# Altium PCB allaki_mezzanine.PcbDoc (part 2 of 3)
Units mm, origin at the board's own origin, x right, y up, seen from the top; angles counter-clockwise.
Board outline 100.05 x 34.55 mm, 6 copper layers (Top Layer, MidLayer1, MidLayer2, MidLayer3, MidLayer4, Bottom Layer), stack 1.096 mm thick; 322 components, 189 nets, 933 pads, 442 vias.
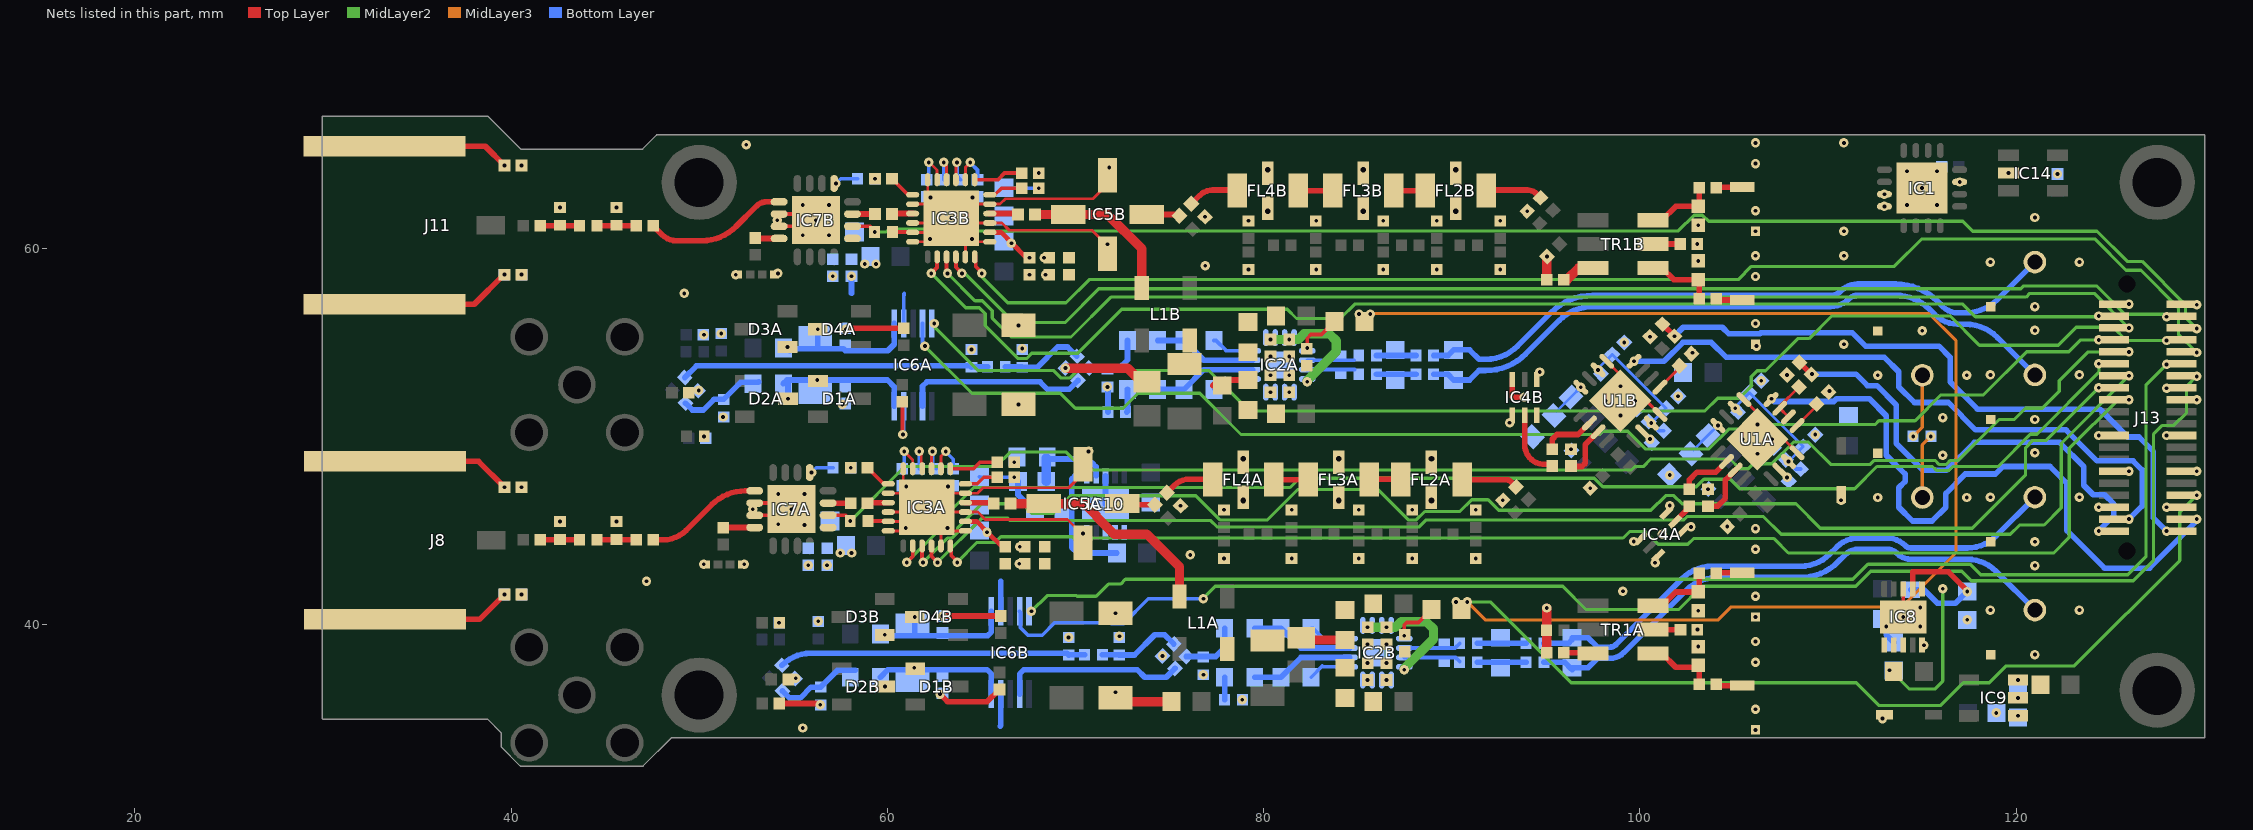
[diagram p6: the nets of this part, all layers, seen from the top]

## Part data
C1A C1B C5A C5B C6A C6B C43 C54 C57A C57B C58A C58B C59A C59B C60A C60B: library part CC0402_100NF_16V_10%_X5R, "Non-polarised capacitor", Case=0402, Manufacturer=GENERIC, Manufacturer1 ComponentHeight=0.55mm, Manufacturer1 Example=MURATA, Manufacturer1 Part Number=GRM155R61C104KA88D, Tolerance=±10%, Voltage=16V, Author="CERN DEM JLC", Component Type=Standard, HelpURL=\\cern.ch\dfs\Applications\Altium\Datasheets\CC0402_X5R_MURATA_GRM.pdf, Manufacturer Part Number=CC0402_100NF_16V_10%_X5R, Part Description="SMD Multilayer Chip Ceramic Capacitor", Part Number=CC0402_100NF_16V_10%_X5R, Pin Count=2, Sense=No, SMD=Yes, Socket=No, Status=None, TC=X5R
  C1A C1B C5A C5B C6A C6B C43 C54: CreateDate=10.12.2013, LatestRevisionDate=10.12.2013, Mounted=Yes
  C57A C57B C59A C59B C60A C60B: CreateDate=2013-12-10, LatestRevisionDate=2013-12-10, Mounted=Yes
  C58A C58B: CreateDate=2013-12-10, LatestRevisionDate=2013-12-10, Mounted=DNP
C2A C2B C7A C7B C11 C70: library part CC0603_10UF_6.3V_20%_X5R, "Non-polarised capacitor", Case=0603, Manufacturer=GENERIC, Manufacturer1 ComponentHeight=0.95mm, Manufacturer1 Example=KEMET, Manufacturer1 Part Number=C0603C106M9PAC, Manufacturer Part Number=CC0603_10uF_6.3V_20%_X5R, Tolerance=±20%, Voltage=6.3V, Author="CERN DEM JLC", Component Type=Standard, HelpURL=\\cern.ch\dfs\Applications\Altium\Datasheets\CC0603_X5R_KEMET.pdf, Mounted=Yes, Part Description="SMD Multilayer Chip Ceramic Capacitor", Part Number=CC0603_10UF_6.3V_20%_X5R, Pin Count=2, Sense=No, SMD=Yes, Socket=No, Status=Preferred, TC=X5R
  C2A C2B C7A C7B: CreateDate=03.12.2007, LatestRevisionDate=03.12.2007
  C11 C70: CreateDate=2007-12-03, LatestRevisionDate=2007-12-03
C3A C3B C8A C8B C23A C23B: library part CC0402_1NF_50V_10%_X7R, "Non-polarised capacitor", Case=0402, Manufacturer=GENERIC, Manufacturer1 ComponentHeight=0.55mm, Manufacturer1 Example=PHYCOMP, Manufacturer1 Part Number=223858715623, Tolerance=±10%, Voltage=50V, Author="CERN DEM JLC", Component Type=Standard, HelpURL=\\cern.ch\dfs\Applications\Altium\Datasheets\CC0402_X7R_PHYCOMP.pdf, Manufacturer Part Number=CC0402_1NF_50V_10%_X7R, Mounted=Yes, Part Description="SMD Multilayer Chip Ceramic Capacitor", Part Number=CC0402_1NF_50V_10%_X7R, Pin Count=2, Sense=No, SMD=Yes, Socket=No, Status="Not Recommended", TC=X7R
  C3A C3B C8A C8B: CreateDate=03.12.2007, LatestRevisionDate=03.12.2007
  C23A C23B: CreateDate=2007-12-03, LatestRevisionDate=2007-12-03
C4A C4B C63A C63B: library part CC0603_10PF_50V_5%_NP0, "Non-polarised capacitor", Case=0603, Manufacturer=GENERIC, Manufacturer1 ComponentHeight=0.87mm, Manufacturer1 Example=PHYCOMP, Manufacturer1 Part Number=223886715109, Tolerance=±5%, Voltage=50V, Author="CERN DEM JLC", Component Type=Standard, CreateDate=03.12.2007, HelpURL=\\cern.ch\dfs\Applications\Altium\Datasheets\CC0603_NP0_PHYCOMP.pdf, LatestRevisionDate=03.12.2007, Manufacturer Part Number=CC0603_10PF_50V_5%_NP0, Part Description="SMD Multilayer Chip Ceramic Capacitor", Part Number=CC0603_10PF_50V_5%_NP0, Pin Count=2, Sense=No, SMD=Yes, Socket=No, Status=Preferred, TC=C0G/NP0
  C4A C4B: Mounted=DNP
  C63A C63B: Mounted=Yes
C9A C9B C33A C33B: library part CC0402_18PF_50V_5%_C0G, "Non-polarised capacitor", Case=0402, Manufacturer=GENERIC, Manufacturer1 ComponentHeight=0.55mm, Manufacturer1 Example=KEMET, Manufacturer1 Part Number=C0402C180J5GACTU, Tolerance=±5%, Voltage=50V, Author="CERN DEM JLC", Component Type=Standard, CreateDate=2016-10-04, HelpURL="\\cern.ch\dfs\Applications\Altium\Datasheets\CC0805_C0G_KEMET_(Commercial Grade).pdf", LatestRevisionDate=2016-10-04, Manufacturer Part Number=CC0402_18PF_50V_5%_C0G, Mounted=Yes, Part Description="SMD Multilayer Chip Ceramic Capacitor", Part Number=CC0402_18PF_50V_5%_C0G, Pin Count=2, Sense=No, SMD=Yes, Socket=No, Status=Preferred, TC=C0G/NP0
C10 C32: library part CC0402_10PF_50V_5%_C0G, "Non-polarised capacitor", Case=0402, Manufacturer=GENERIC, Manufacturer1 ComponentHeight=0.55mm, Manufacturer1 Example=KEMET, Manufacturer1 Part Number=C0402C100J5GACTU, Tolerance=±5%, Voltage=50V, Author="CERN DEM JLC", Component Type=Standard, CreateDate=2007-12-03, HelpURL="\\cern.ch\dfs\Applications\Altium\Datasheets\CC0805_C0G_KEMET_(Commercial Grade).pdf", LatestRevisionDate=2015-04-22, Manufacturer Part Number=CC0402_10PF_50V_5%_C0G, Mounted=Yes, Part Description="SMD Multilayer Chip Ceramic Capacitor", Part Number=CC0402_10PF_50V_5%_C0G, Pin Count=2, Sense=No, SMD=Yes, Socket=No, Status=Preferred, TC=C0G/NP0
C12A C12B: library part CC0805_1UF_35V_20%_X7R, "Non-polarised capacitor", Case=0805, Manufacturer=GENERIC, Manufacturer1 ComponentHeight=1.35mm, Manufacturer1 Example="TAIYO YUDEN", Manufacturer1 Part Number=GMK212B7105MG-T, Tolerance=±20%, Voltage=35V, Author="CERN DEM JLC", Component Type=Standard, CreateDate=2011-06-22, HelpURL=\\cern.ch\dfs\Applications\Altium\Datasheets\CC0805_X7R_TAIYO-YUDEN_HIGH-VALUE.pdf, LatestRevisionDate=2011-06-22, Manufacturer Part Number=CC0805_1UF_35V_20%_X7R, Mounted=Yes, Part Description="SMD Multilayer Chip Ceramic Capacitor", Part Number=CC0805_1UF_35V_20%_X7R, Pin Count=2, Sense=No, SMD=Yes, Socket=No, Status="Not Recommended", TC=X7R
C13A C13B: library part CC0603_100NF_50V_10%_X7R, "Non-polarised capacitor", Case=0603, Manufacturer=GENERIC, Manufacturer1 ComponentHeight=0.87mm, Manufacturer1 Example=PHYCOMP, Manufacturer1 Part Number=223858615649, Tolerance=±10%, Voltage=50V, Author="CERN DEM JLC", Component Type=Standard, CreateDate=2007-12-03, HelpURL=\\cern.ch\dfs\Applications\Altium\Datasheets\CC0603_X7R_PHYCOMP.pdf, LatestRevisionDate=2007-12-03, Manufacturer Part Number=CC0603_100NF_50V_10%_X7R, Mounted=Yes, Part Description="SMD Multilayer Chip Ceramic Capacitor", Part Number=CC0603_100NF_50V_10%_X7R, Pin Count=2, Sense=No, SMD=Yes, Socket=No, Status=Preferred, TC=X7R
C14A C14B C15A C15B C16A C16B C17A C17B C18A C18B C19A C19B C20A C20B C28A C28B C29A C29B C36A C36B C37A C37B C46A C46B C47A C47B C49A C49B C50A C50B C51 C52 C55A C55B C56A C56B C64 C65 C66 C67 C68 C69: library part CC0402_10NF_16V_10%_X7R, "Non-polarised capacitor", Case=0402, Manufacturer=GENERIC, Manufacturer1 ComponentHeight=0.55mm, Manufacturer1 Example=PHYCOMP, Manufacturer1 Part Number=223878715636, Tolerance=±10%, Voltage=16V, Author="CERN DEM JLC", Component Type=Standard, CreateDate=2007-12-03, HelpURL=\\cern.ch\dfs\Applications\Altium\Datasheets\CC0402_X7R_PHYCOMP.pdf, LatestRevisionDate=2007-12-03, Manufacturer Part Number=CC0402_10NF_16V_10%_X7R, Mounted=Yes, Part Description="SMD Multilayer Chip Ceramic Capacitor", Part Number=CC0402_10NF_16V_10%_X7R, Pin Count=2, Sense=No, SMD=Yes, Socket=No, Status="Not Recommended", TC=X7R
C21A C21B C39A C39B: library part CC0603_10UF_16V_20%_X5R, "Non-polarised capacitor", Case=0603, Manufacturer=GENERIC, Manufacturer1 ComponentHeight=0.8mm, Manufacturer1 Example=MURATA, Manufacturer1 Part Number=GRM188R61C106MA73D, Tolerance=±20%, Voltage=16V, Author="CERN DEM MR", Component Type=Standard, CreateDate=2016-03-02, HelpURL=\\cern.ch\dfs\Applications\Altium\Datasheets\CC0603_X5R_MURATA_GRM.pdf, LatestRevisionDate=2016-03-02, Manufacturer Part Number=CC0603_10UF_16V_20%_X5R, Mounted=Yes, Part Description="SMD Multilayer Chip Ceramic Capacitor", Part Number=CC0603_10UF_16V_20%_X5R, Pin Count=2, Sense=No, SMD=Yes, Socket=No, Status=None, TC=X5R
C22A C22B C35A C35B C40A C40B C41A C41B: library part CC0402_100NF_16V_10%_X7R, "Non-polarised capacitor", Case=0402, Manufacturer=GENERIC, Manufacturer1 ComponentHeight=0.55mm, Manufacturer1 Example=MURATA, Manufacturer1 Part Number=GRM155R71C104KA88D, Tolerance=±10%, Voltage=16V, Author="CERN DEM JLC", Component Type=Standard, CreateDate=2013-12-05, HelpURL=\\cern.ch\dfs\Applications\Altium\Datasheets\CC0402_X7R_MURATA_GRM.pdf, LatestRevisionDate=2007-12-03, Manufacturer Part Number=CC0402_100NF_16V_10%_X7R, Mounted=Yes, Part Description="SMD Multilayer Chip Ceramic Capacitor", Part Number=CC0402_100NF_16V_10%_X7R, Pin Count=2, Sense=No, SMD=Yes, Socket=No, Status="Not Recommended", TC=X7R
C24A C24B C30A C30B C38A C38B C45A C45B C61A C61B C62A C62B: library part CC0402_100PF_50V_5%_C0G, "Non-polarised capacitor", Case=0402, Manufacturer=GENERIC, Manufacturer1 ComponentHeight=0.55mm, Manufacturer1 Example=KEMET, Manufacturer1 Part Number=C0402C101J5GACTU, Tolerance=±5%, Voltage=50V, Author="CERN DEM JLC", Component Type=Standard, CreateDate=2007-12-03, HelpURL="\\cern.ch\dfs\Applications\Altium\Datasheets\CC0805_C0G_KEMET_(Commercial Grade).pdf", LatestRevisionDate=2015-04-22, Manufacturer Part Number=CC0402_100PF_50V_5%_C0G, Part Description="SMD Multilayer Chip Ceramic Capacitor", Part Number=CC0402_100PF_50V_5%_C0G, Pin Count=2, Sense=No, SMD=Yes, Socket=No, Status=Preferred, TC=C0G/NP0
  C24A C24B C38A C38B C61A C61B C62A C62B: Mounted=Yes
  C30A C30B C45A C45B: Mounted=DNP
C25 C26 C71 C72: library part CC0603_4.7UF_16V_10%_X5R, "Non-polarised capacitor", Case=0603, Manufacturer=GENERIC, Manufacturer1 ComponentHeight=0.95mm, Manufacturer1 Example="TAIYO YUDEN", Manufacturer1 Part Number=EMK107ABJ475KA-T, Tolerance=±10%, Voltage=16V, Author="CERN DEM JLC", Component Type=Standard, CreateDate=2013-12-16, HelpURL=\\cern.ch\dfs\Applications\Altium\Datasheets\CC0603_X7R_TAIYO-YUDEN_HIGH-VALUE.pdf, LatestRevisionDate=2014-09-16, Manufacturer Part Number=CC0603_4.7UF_16V_10%_X5R, Mounted=Yes, Part Description="SMD Multilayer Chip Ceramic Capacitor", Part Number=CC0603_4.7UF_16V_10%_X5R, Pin Count=2, Sense=No, SMD=Yes, Socket=No, Status=None, TC=X5R
C27 C53: library part CC0603_2.2UF_10V_20%_X7R, "Non-polarised capacitor", Case=0603, Manufacturer=GENERIC, Manufacturer1 ComponentHeight=0.9mm, Manufacturer1 Example="TAIYO YUDEN", Manufacturer1 Part Number=LMK107B7225MA-T, Tolerance=±20%, Voltage=10V, Author="CERN DEM JLC", Component Type=Standard, CreateDate=2011-06-22, HelpURL=\\cern.ch\dfs\Applications\Altium\Datasheets\CC0603_X7R_TAIYO-YUDEN_HIGH-VALUE.pdf, LatestRevisionDate=2011-06-27, Manufacturer Part Number=CC0603_2.2UF_10V_20%_X7R, Mounted=Yes, Part Description="SMD Multilayer Chip Ceramic Capacitor", Part Number=CC0603_2.2UF_10V_20%_X7R, Pin Count=2, Sense=No, SMD=Yes, Socket=No, Status="Not Recommended", TC=X7R
C31A C31B: library part CC1206_180PF_50V_5%_NP0, "Non-polarised capacitor", Case=1206, Manufacturer=GENERIC, Manufacturer1 ComponentHeight=1.7mm, Manufacturer1 Example="VISHAY VITRAMON", Manufacturer1 Part Number=VJ1206A181JXAAT, Tolerance=±5%, Voltage=50V, Author="CERN DEM JLC", Component Type=Standard, CreateDate=2007-12-03, HelpURL=\\cern.ch\dfs\Applications\Altium\Datasheets\CC1206_NP0_VISHAY_VJ.pdf, LatestRevisionDate=2007-12-03, Manufacturer Part Number=CC1206_180PF_50V_5%_NP0, Mounted=Yes, Part Description="SMD Multilayer Chip Ceramic Capacitor", Part Number=CC1206_180PF_50V_5%_NP0, Pin Count=2, Sense=No, SMD=Yes, Socket=No, Status=Preferred, TC=C0G/NP0
C34A C34B C42A C42B: library part CTE3216-18_10UF_16V_20%_AVX_TCJ, "Polarised capacitor", Case=A, Manufacturer=AVX, Manufacturer Part Number=TCJA106M016R0200, Tolerance=±20%, Voltage=16V, Author="CERN DEM JLC", ComponentHeight=1.8mm, Component Type=Standard, CreateDate=2012-03-29, HelpURL=\\cern.ch\dfs\Applications\Altium\Datasheets\CTE_AVX_TCJ.pdf, LatestRevisionDate=2012-03-29, Mounted=Yes, Part Description="ESR 0R200 Tantalum Solid Electrolytic Chip Capacitor with Conductive Polymer Electrode", Part Number=CTE3216-18_10UF_16V_20%_AVX_TCJ, Pin Count=2, Sense=No, SMD=Yes, Socket=No, Status=Preferred
C44A C44B C48A C48B: library part CMP-1034-00013-1, "CAP 0.5pF 10V ±0.1pF 0402 (1005 Metric) Thickness 0.6mm SMD", Case-EIA=0402, Case-Metric=1005, Rated Voltage="10 V", Tolerance=±0.1pF, Max Thickness="0.6 mm", Technology=SMT
D1A D1B D2A D2B D3A D3B D4A D4B: "Serial Diode", Case=SOT23-3, Manufacturer="NXP SEMICONDUCTORS", Power=250mW, Voltage=75V, Author="CERN DEM JMW", Bonding=No, ComponentHeight=1.1mm, Component Type=Standard, CreateDate=2008-11-21, Device=BAV199, HelpURL=\\cern.ch\dfs\Applications\Altium\Datasheets\BAV199.pdf, LatestRevisionDate=2008-11-21, Manufacturer Part Number=BAV199, Mounted=Yes, PackageDescription="SOT23 3-Leads, Pitch 0.95mm - Body 1.4x3mm, IPC Medium Density", Part Description="Low-Leakage Double Diode", Part Number=BAV199, Pin Count=3, PressFit=No, Sense=No, SMD=Yes, Socket=No
D5 D6: "Schottky Diode", Case=SOD323, Manufacturer="NXP SEMICONDUCTORS", Power=200mA, Voltage=30V, Author="CERN DEM JLC", Bonding=No, ComponentHeight=1.1mm, Component Type=Standard, CreateDate=2012-12-06, Device=1PS76SB10, HelpURL=\\cern.ch\dfs\Applications\Altium\Datasheets\1PS76SB10.pdf, LatestRevisionDate=2012-12-06, Manufacturer Part Number=1PS76SB10, Mounted=Yes, PackageDescription="Small Outline Diode Flat Lead (SOD-323), 1.70mm W X 1.25mm L X 1.10mm H body,  IPC Medium Density", Part Description="Schottky Barrier Single Diode", Part Number=1PS76SB10, Pin Count=2, PressFit=No, Sense=No, SMD=Yes, Socket=No
FL2A FL2B FL3A FL3B FL4A FL4B: library part FIL_MINI-CIRCUITS_LFCN-3000+, "50 Ohm DC to 3000MHz Low Pass Filter", Manufacturer=MINI-CIRCUITS, Manufacturer Part Number=LFCN-3000+, Author="CERN DEM JLC", ComponentHeight=0.94mm, Component Type=Standard, CreateDate=2013-12-09, HelpURL=\\cern.ch\dfs\Applications\Altium\Datasheets\FIL_MINI-CIRCUITS_LFCN-3000+.pdf, LatestRevisionDate=2013-12-09, Mounted=Yes, Part Description="50 Ohm Low Pass Filter", Part Number=FIL_MINI-CIRCUITS_LFCN-3000+, Pin Count=2, Sense=No, SMD=Yes, Socket=No, Status=None
IC1: "±0.25°C Accurate, 16-Bit Digital I2C Temperature Sensor", Case=QFN16, Manufacturer="ANALOG DEVICES", Author="CERN DEM JLC", Bonding=No, ComponentHeight=0.8mm, Component Type=Standard, CreateDate=2013-02-21, Device=ADT7420UCPZ-R2, HelpURL=\\cern.ch\dfs\Applications\Altium\Datasheets\ADT7420UCPZ-R2.pdf, LatestRevisionDate=2013-02-21, Manufacturer Part Number=ADT7420UCPZ-R2, Mounted=Yes, PackageDescription="QFN, 0.65mm Pitch, Square; 16 Pin, 4.00mm L X 4.00mm W X 0.80mm H Body (w/thermal tab 2.7 X 2.7mm),  IPC Medium Density", Part Description="-20° to +105°C ±0.25°C Accurate, 16-Bit Digital I2C Temperature Sensor", Part Number=ADT7420UCPZ-R2, Pin Count=8, PressFit=No, Sense=No, SMD=Yes, Socket=No
IC2A IC2B: "Ultralow Distortion Current Feedback Differential ADC Driver", Case=QFN16, Manufacturer="ANALOG DEVICES", Author="CERN DEM JLC", Bonding=No, ComponentHeight=1mm, Component Type=Standard, CreateDate=19.04.2010, Device=ADA4927-1YCPZ-R2, HelpURL=\\cern.ch\dfs\Applications\Altium\Datasheets\ADA4927-1YCPZ-R2.pdf, LatestRevisionDate=19.04.2010, Manufacturer Part Number=ADA4927-1YCPZ-R2, Mounted=Yes, PackageDescription="QFN,0.50mm pitch,square; 4 pin X 4 pin, 3mm X 3mm X 1.00mm H body (w/thermal tab 1.45 X 1.45mm),  IPC Medium Density", Part Description="Ultralow Distortion Current Feedback Differential ADC Driver", Part Number=ADA4927-1YCPZ-R2, Pin Count=17, PressFit=No, Sense=No, SMD=Yes, Socket=No
IC3A IC3B: "0.5dB LSB GaAs MMIC 6-bit Digital Serial Control Attenuator, DC - 4GHz", Case=QFN24, Manufacturer="HITTITE MICROWAVE CORP", Author="CERN DEM JMW", Bonding=No, ComponentHeight=1mm, Component Type=Standard, CreateDate=2016-08-17, Device=HMC542BLP4E, HelpURL=\\cern.ch\dfs\Applications\Altium\Datasheets\HMC542BLP4E.pdf, LatestRevisionDate=2016-08-17, Manufacturer Part Number=HMC542BLP4E, Mounted=Yes, PackageDescription="QFN, 0.50mm Pitch, Square; 24 Pin, 4.00mm L X 4.00mm W X 1.00mm H Body (w/thermal Tab 2.95 X 2.95mm), IPC Medium Density", Part Description="0.5dB LSB GaAs MMIC 6-bit Digital Serial Control Attenuator, DC to 4GHz", Part Number=HMC542BLP4E, Pin Count=25, PressFit=No, Sense=No, SMD=Yes, Socket=No
IC4A IC4B: "DC to 18GHz, 2W, 50 Ohm, 4dB Attenuator", Manufacturer=MINI-CIRCUITS, Author="CERN DEM JLC", Bonding=No, ComponentHeight=0.85mm, Component Type=Standard, CreateDate=2015-04-20, Device=YAT-12+, HelpURL=\\cern.ch\dfs\Applications\Altium\Datasheets\YAT-12+.pdf, LatestRevisionDate=2015-04-20, Manufacturer Part Number=YAT-12+, Mounted=Yes, PackageDescription="MINI-CIRCUITS MC1630 Case, 0.65mm pitch, 6 pin, 2mm X 2mm X 0.85mm H body (w/thermal tab 0.65 X 1.25mm)", Part Description="DC to 18GHz, 2W, 50 Ohms, 12dB Attenuator", Part Number=YAT-12+, Pin Count=7, PressFit=No, Sense=No, SMD=Yes, Socket=No
IC5A IC5B: "DC-4GHz Monolithic Amplifier", Manufacturer=MINI-CIRCUITS, Author="CERN DEM JMW", Bonding=No, ComponentHeight=1.52mm, Component Type=Standard, CreateDate=11.08.2016, Device=ERA-4XSM+, HelpURL=\\cern.ch\dfs\Applications\Altium\Datasheets\ERA-4XSM+.pdf, LatestRevisionDate=11.08.2016, Manufacturer Part Number=ERA-4XSM+, Mounted=Yes, PackageDescription="MINI-CIRCUITS WW107 Case, Body 2.16mm Diameter X 1.52mm H", Part Description="DC-4GHz Monolithic Amplifier", Part Number=ERA-4XSM+, Pin Count=4, PressFit=No, Sense=No, SMD=Yes, Socket=No
IC6A IC6B: "10MHz, 20V/us, G= 1, 10, 100, 1000 iCMOS Programmable Gain Instrumentation Amplifier", Case=MSOP10, Manufacturer="ANALOG DEVICES", Author="CERN DEM JLC", Bonding=No, ComponentHeight=1.1mm, Component Type=Standard, CreateDate=2013-10-02, Device=AD8253ARMZ, HelpURL=\\cern.ch\dfs\Applications\Altium\Datasheets\AD8253ARMZ.pdf, LatestRevisionDate=2013-10-02, Manufacturer Part Number=AD8253ARMZ, Mounted=Yes, PackageDescription="MSOP, 10-Leads, Body 3.1x3.1mm (max), Pitch 0.50mm, IPC Medium Density", Part Description="10MHz, 20V/us, G= 1, 10, 100, 1000 iCMOS Programmable Gain Instrumentation Amplifier", Part Number=AD8253ARMZ, Pin Count=8, PressFit=No, Sense=No, SMD=Yes, Socket=No
IC7A IC7B: "DC-4GHz High Isolation SPDT Non-Reflective Switch", Case=QFN16, Manufacturer="ANALOG DEVICES", Author="CERN DEM JLC", Bonding=No, ComponentHeight=1mm, Component Type=Standard, CreateDate=2017-02-23, Device=HMC349ALP4CE, HelpURL=\\cern.ch\dfs\Applications\Altium\Datasheets\HMC349ALP4CE.pdf, LatestRevisionDate=2017-02-23, Manufacturer Part Number=HMC349ALP4CE, Mounted=Yes, PackageDescription="QFN, 0.65mm pitch,square; 4 pin X 4 pin, 4mm X 4mm X 1mm H body (w/thermal tab 2.55 X 2.55mm),  IPC Medium Density", Part Description="DC-4GHz High Isolation SPDT Non-Reflective Switch", Part Number=HMC349ALP4CE, Pin Count=17, PressFit=No, Sense=No, SMD=Yes, Socket=No
IC8 IC10: "20V, 500mA, Ultralow Noise, Ultrahigh PSRR Linear Regulator", Case=SON10, Manufacturer="LINEAR TECHNOLOGY", Author="CERN DEM JLC", Bonding=No, ComponentHeight=0.8mm, Component Type=Standard, CreateDate=2016-12-07, Device=LT3045EDD#PBF, HelpURL=\\cern.ch\dfs\Applications\Altium\Datasheets\LT3045EDD#PBF.pdf, LatestRevisionDate=2016-12-07, Manufacturer Part Number=LT3045EDD#PBF, Mounted=Yes, PackageDescription="SON, 0.50mm Pitch, 10-pin, 3.00mm W  X 3.00mm L X 0.80mm Height, (w/thermal tab 1.75 X 2.48 mm), IPC Medium Density", Part Description="20V, 500mA, Ultralow Noise, Ultrahigh PSRR Linear Regulator", Part Number=LT3045EDD#PBF, Pin Count=11, PressFit=No, Sense=No, SMD=Yes, Socket=No
IC9: "–5V, 200 mA, Low Noise, Linear Regulator", Case=SOT23-5, Manufacturer="ANALOG DEVICES", Author="CERN DEM JLC", Bonding=No, ComponentHeight=0.9mm, Component Type=Standard, CreateDate=17.03.2014, Device=ADP7182AUJZ-5.0-R7, HelpURL=\\cern.ch\dfs\Applications\Altium\Datasheets\ADP7182AUJZ-5.0-R7.pdf, LatestRevisionDate=17.03.2014, Manufacturer Part Number=ADP7182AUJZ-5.0-R7, Mounted=Yes, PackageDescription="SOT23, 0.95mm pitch; 5 pin, 1.75mm W X 3.00mm L, IPC Medium Density", Part Description="–5V, -200mA, Low Noise, Linear Regulator", Part Number=ADP7182AUJZ-5.0-R7, Pin Count=5, PressFit=No, Sense=No, SMD=Yes, Socket=No
IC14: "1.7V-5.5V, 2K I2C Serial EEPROM With EUI-48 Node Identity", Case=SOT23-5, Manufacturer="MICROCHIP TECHNOLOGY", Author="CERN DEM MR", Bonding=No, ComponentHeight=1.45mm, Component Type=Standard, CreateDate=31.03.2016, Device=24AA02E48T-I/OT, HelpURL=\\cern.ch\dfs\Applications\Altium\Datasheets\24AA02E48T-I-OT.pdf, LatestRevisionDate=31.03.2016, Manufacturer Part Number=24AA02E48T-I/OT, Mounted=Yes, PackageDescription="SOT, 0.95mm pitch; 5 pin, 1.60mm W X 2.90mm L X 1.45mm H body, IPC Medium Density", Part Description="1.7V-5.5V, 2K I2C Serial EEPROM With EUI-48 Node Identity", Part Number=24AA02E48T-I/OT, Pin Count=5, PressFit=No, Sense=No, SMD=Yes, Socket=No
J1 J3 J4 J6 J14 J15: "50 Ohms, SMP Surface/THT Mount Plug, Limited Detent", Manufacturer=AMPHENOL, Manufacturer Part Number=SMP-MSLD-PCT-10, Part Number=AMPHENOL_SMP-MSLD-PCT-10, Author=GK, ComponentHeight=4.1mm, Component Type=Standard, CreateDate=11.11.2016, Family=SMP, HelpURL=\\cern.ch\dfs\Applications\Altium\Datasheets\MOLEX_85305-0232.pdf, LatestRevisionDate=11.11.2016, Mounted=Yes, Part Description="50 Ohms, SMP Surface Mount Plug, Limited Detent", Pin Count=2, PressFit=No, Sense=No, SMD=No, Socket=No, Status=None
J2 J5: "RiSMA 50 Ohms Right Angle PCB Jack", Manufacturer=Telegartner, Manufacturer Part Number=J01151A0921, Part Number=Telegartner_J01151A0921, Author=GK, ComponentHeight=9.6mm, Component Type=Standard, CreateDate=11.11.2016, Family=SMA, HelpURL=\\cern.ch\dfs\Applications\Altium\Datasheets\HUBER-SUHNER_85_SMA-50-0-101-111_NE.pdf, LatestRevisionDate=11.11.2016, Mounted=Yes, Part Description="SMA 50 Ohms Right Angle PCB Jack", Pin Count=2, PressFit=No, Sense=No, SMD=No, Socket=No, Status=None
J7 J9 J10 J12: library part MOLEX_85305-0232, Manufacturer=MOLEX, Manufacturer Part Number=85305-0232, Author="CERN DEM JMW", ComponentHeight=4.1mm, Component Type=Standard, CreateDate=09.08.2016, Family=SMP, HelpURL=\\cern.ch\dfs\Applications\Altium\Datasheets\MOLEX_85305-0232.pdf, LatestRevisionDate=09.08.2016, Mounted=Yes, Part Description="50 Ohms, SMP Surface Mount Plug, Limited Detent", Part Number=MOLEX_85305-0232, Pin Count=2, PressFit=No, Sense=No, SMD=Yes, Socket=No, Status=None
J8 J11: library part TELEGARTNER_J01151A0451, Manufacturer=TELEGARTNER, Manufacturer Part Number=J01151A0451, Author="CERN DEM JLC", ComponentHeight=7mm, Component Type=Standard, CreateDate=27.10.2016, Family=SMA, HelpURL=\\cern.ch\dfs\Applications\Altium\Datasheets\TELEGARTNER_J01151A0451.pdf, LatestRevisionDate=27.10.2016, Mounted=Yes, Part Description="SMA 50 ohms Edge Mount Bulkhead Jack Receptacle", Part Number=TELEGARTNER_J01151A0451, Pin Count=2, PressFit=No, Sense=No, SMD=No, Socket=No, Status=None
J13: "40 Contacts, Pitch 0.635mm, Razor Beam LSS Vertical High Speed Hermaphroditic Strip (Lead Style 7.49mm)", Manufacturer=SAMTEC, Manufacturer Part Number=LSS-120-02-L-DV-A, Part Number=SAMTEC_LSS-120-02-L-DV-A, Author="CERN DEM JMW", ComponentHeight=5.57mm, Component Type=Standard, CreateDate=10.11.2015, HelpURL=\\cern.ch\dfs\Applications\Altium\Datasheets\SAMTEC_LSS-120-03-L-DV-A.pdf, LatestRevisionDate=10.11.2015, Mounted=Yes, Part Description="40 Contacts, Pitch 0.635mm, Razor Beam LSS Vertical High Speed Hermaphroditic Strip (Lead Style 5.49mm)", Pin Count=40, PressFit=No, Sense=No, SMD=Yes, Socket=No, Status=None